# Altium PCB motherboard 2 layer try.PcbDoc (part 1 of 2)
Units mm, origin at the board's own origin, x right, y up, seen from the top; angles counter-clockwise.
Board outline 224.71 x 145.57 mm, 2 copper layers (Top Layer, Bottom Layer); 59 components, 158 nets, 486 pads, 605 vias.
Unrouted connection lines stored in the file: 6.
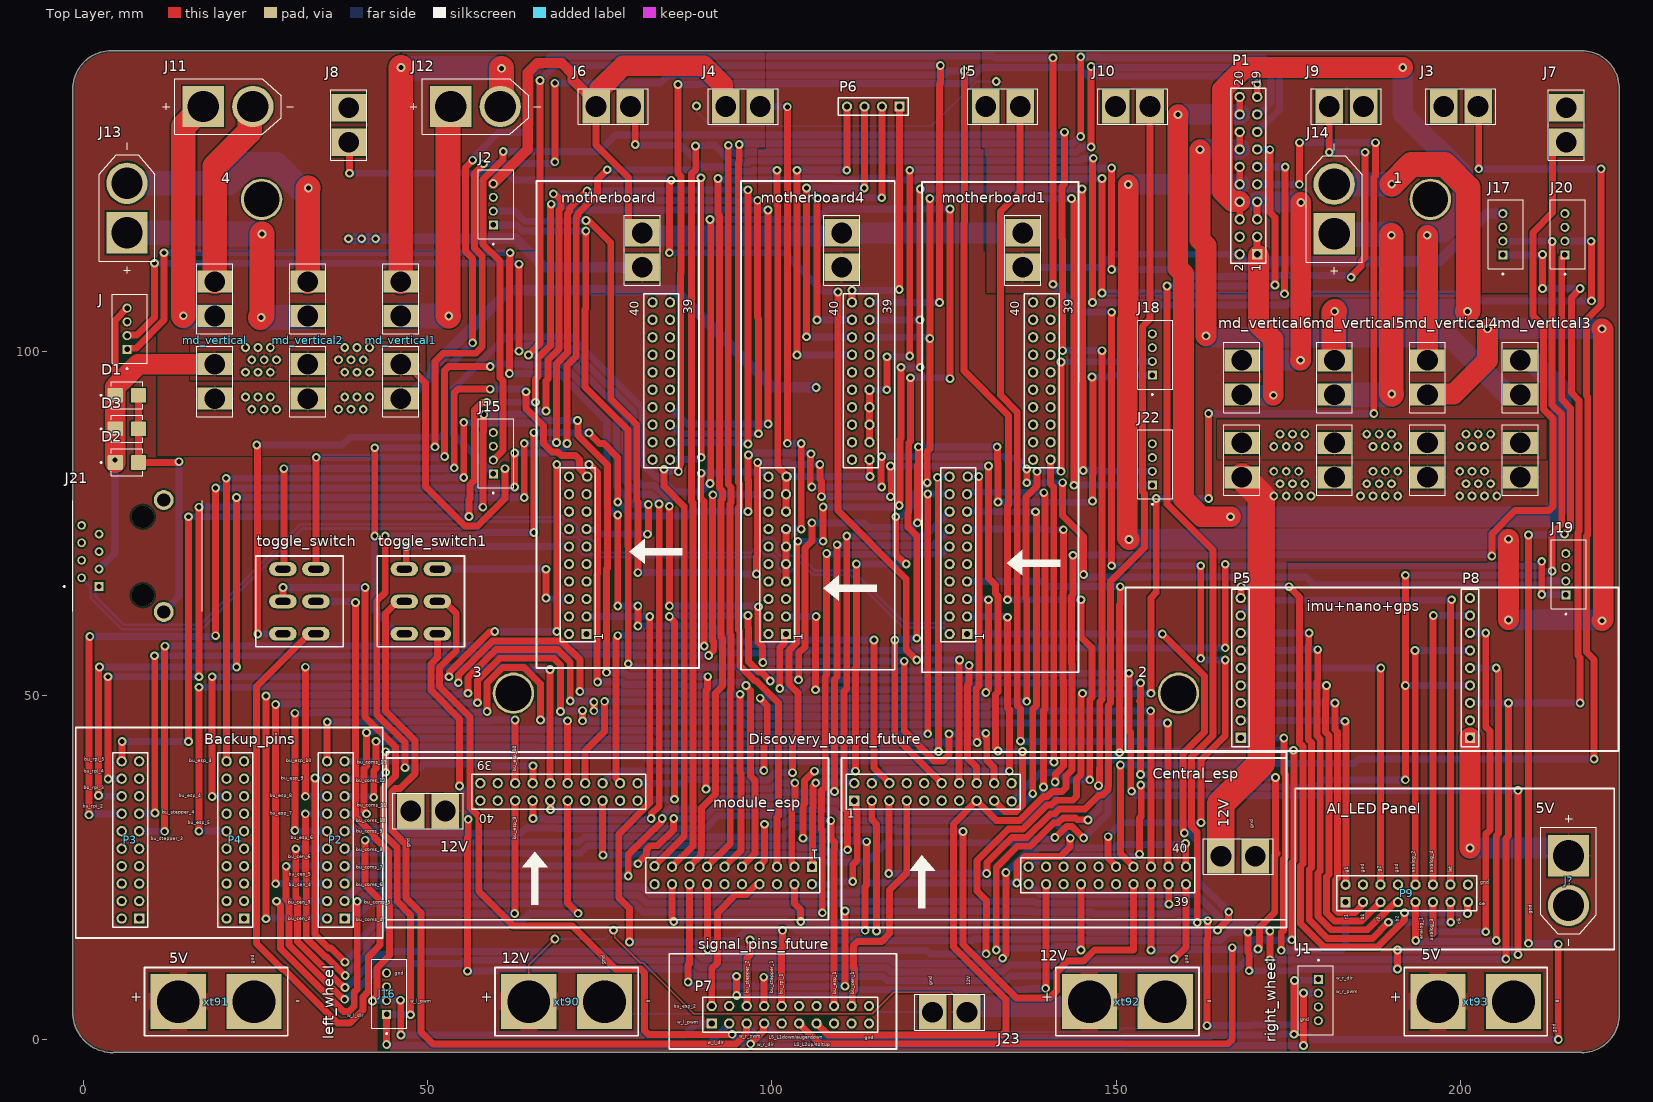
[diagram p0: Top Layer view]
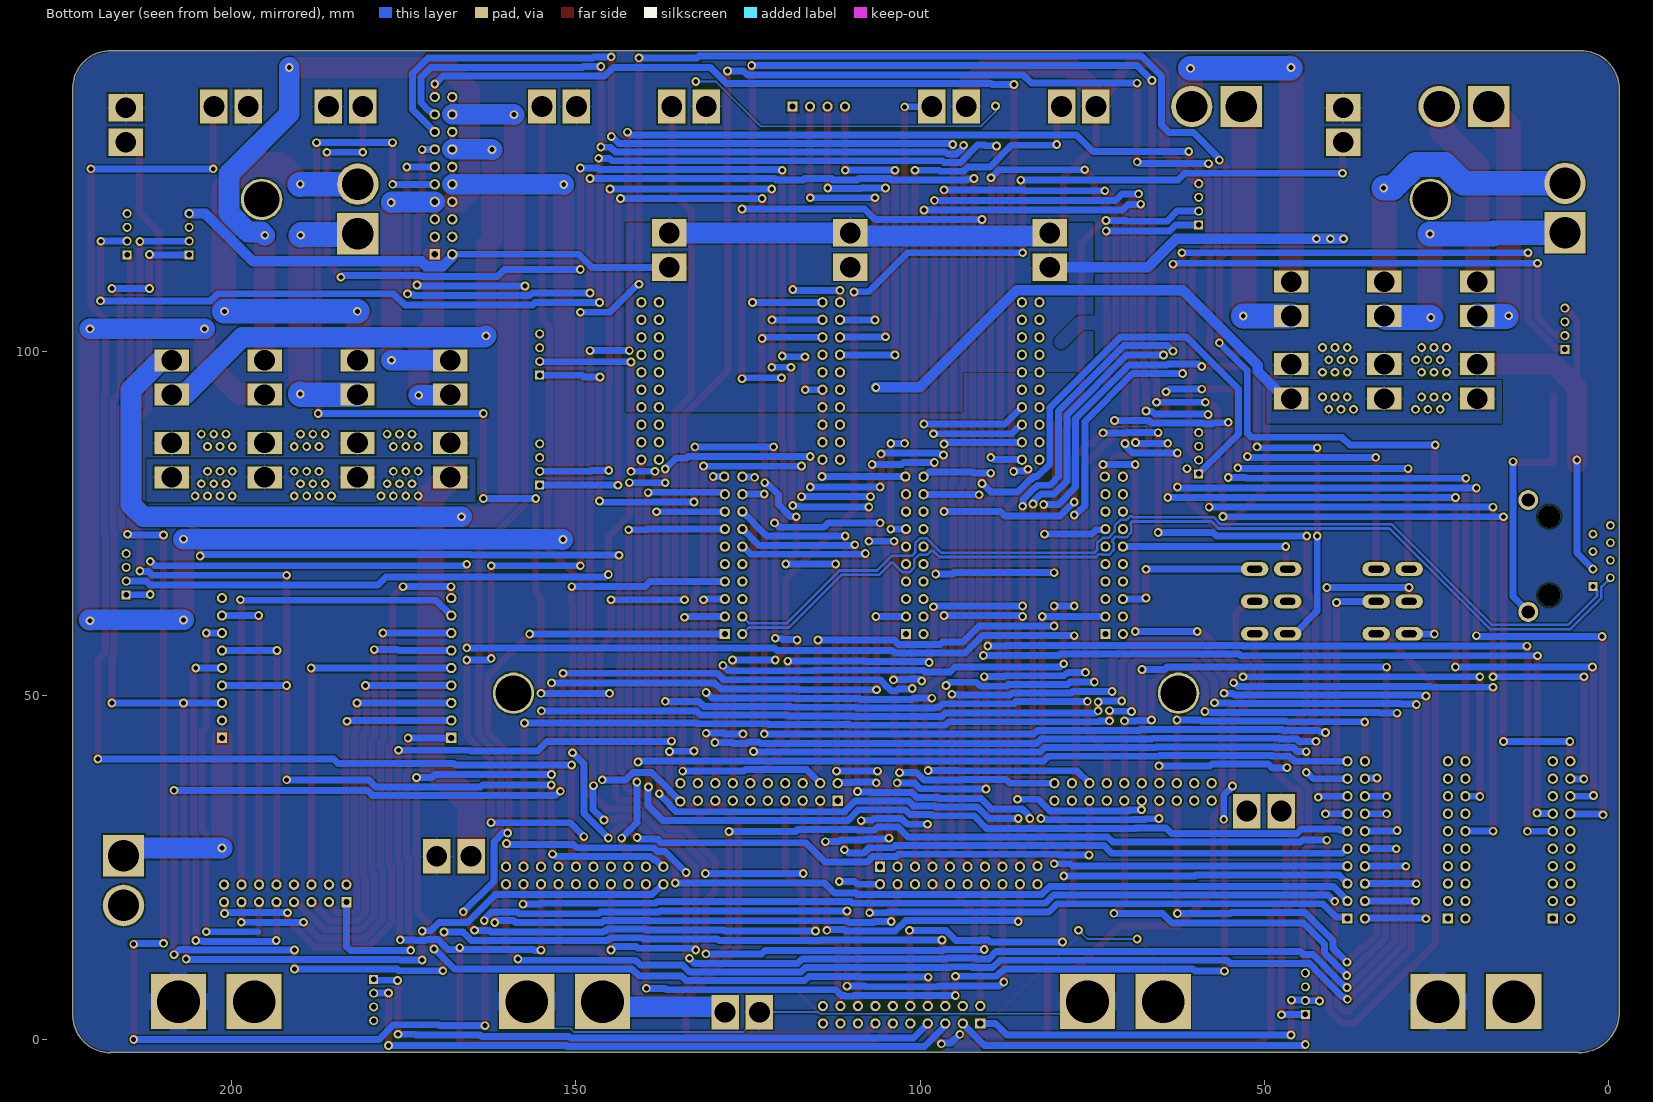
[diagram p1: Bottom Layer view, seen from below]

## Layer stack, top to bottom
Top Solder: solder mask 0.0102, Solder Resist, Dk 3.5
Top Layer: signal copper 0.105
Dielectric2: dielectric 0.32, FR-4, Dk 4.8
Bottom Layer: signal copper 0.105
Bottom Solder: solder mask 0.0102, Solder Resist, Dk 3.5

## Board outline
-1.587,3.955 -1.587,138.067 -1.581,138.067 cw(c4.013,138.067) 4.013,143.661 4.013,143.655 217.627,143.655 217.627,143.661 cw(c217.627,138.194) 223.092,138.067 223.076,138.067 223.076,3.574 223.112,3.574 cw(c217.627,3.574) 217.627,-1.911 217.627,-1.867 4.267,-1.867 4.267,-1.909 cw(c4.267,3.955)

## Design rules (kind name [scope] priority, off if disabled: settings)
BoardOutlineClearance [All] p1: gap=0.254 ignorepadtopadclearanceinfootprint=FALSE except(0: Arc-SplitContinuation Track-SplitContinuation SMDPad-SplitContinuation THPad-SplitContinuation Via-SplitContinuation Fill-SplitContinuation Poly-SplitContinuation Region-SplitContinuation Text-SplitContinuation)
Clearance [All] p1: gap=0.254 ignorepadtopadclearanceinfootprint=FALSE except(0: Arc-Hole Track-Hole SMDPad-Hole THPad-Hole Via-Hole Fill-Hole Poly-Hole Region-Hole Text-Hole)
DiffPairsRouting [InDifferentialPair('CAN')] p1: maxlimit=0.254 minlimit=0.254 mostfreqgap=0.254 toplayer_minwidth=0.381 toplayer_maxwidth=0.381 toplayer_prefwidth=0.381 bottomlayer_minwidth=0.381 bottomlayer_maxwidth=0.381 bottomlayer_prefwidth=0.381 maxuncoupledlength=12.7
PolygonConnect [All] p1: connectstyle=Relief reliefconductorwidth=0.254 reliefentries=4 polygonreliefangle="90 Angle" airgapwidth=0.254
RoutingVias [All] p1: holewidth=0.711 width=1.27 viastyle="Through Hole" minholewidth=0.711 minwidth=1.27 maxholewidth=0.711 maxwidth=1.27
SolderMaskExpansion [All] p1: expansion=0.102 istentingtop=FALSE
Width [All] p1: maxlimit=10 minlimit=0.254 preferedwidth=3 minimp=50.000000 maximp=50.000000 favimp=50.000000
29 further rules are at their usual default settings.

## Classes and differential pairs
differential pair CAN: +CAN_P -can_N

## Components (designator, comment, footprint, x,y, rotation, side; value= is the part's Value field where it differs from the comment)
1 "mountinghole_np" np_mountinghole 195.656,122.065 r90 top
2 "mountinghole_np" np_mountinghole 159.08,50.31 r90 top
3 "mountinghole_np" np_mountinghole 62.433,50.31 r90 top
4 "mountinghole_np" np_mountinghole 25.857,122.065 r90 top
Central_esp "motherboard" "motherboard 10x2" 134.835,34.597 r270 top (schematic designator motherboard3)
D1 "SMBJ36CA-13-F" DIONM4336X250N 6.274,93.581 r0 top
D2 "SMBJ36CA-13-F" DIONM4336X250N 6.274,83.838 r0 top
D3 "SMBJ36CA-13-F" DIONM4336X250N 6.274,88.71 r0 top
J "110990030" SEEED_110990030 6.299,103.269 r90 top
J1 "110990030" SEEED_110990030 179.388,5.722 r270 top
J2 "110990030" SEEED_110990030 59.512,121.351 r90 top
J3 "XT30PB" XT30PB 202.59,135.547 r270 top
J4 "XT30PB" XT30PB 98.31,135.547 r270 top
J5 "XT30PB" XT30PB 136.053,135.547 r270 top
J6 "XT30PB" XT30PB 79.439,135.547 r270 top
J7 "XT30PB" XT30PB 215.417,130.373 r180 top
J8 "XT30PB" XT30PB 38.506,130.373 r180 top
J9 "XT30PB" XT30PB 180.953,135.547 r90 top
J10 "XT30PB" XT30PB 154.924,135.547 r270 top
J11 "XT60-M" AMASS_XT60-M 20.975,135.547 r0 top
J12 "XT60-M" AMASS_XT60-M 56.921,135.547 r0 top
J13 "XT60-M" AMASS_XT60-M 6.299,120.795 r90 top
J14 "XT60-M" AMASS_XT60-M 181.686,120.668 r90 top
J15 "110990030" SEEED_110990030 59.512,85.187 r90 top
J16 "110990030" SEEED_110990030 44.006,6.658 r90 top
J17 "110990030" SEEED_110990030 206.197,117.001 r90 top
J18 "110990030" SEEED_110990030 155.27,99.507 r90 top
J19 "110990030" SEEED_110990030 215.341,67.598 r90 top
J20 "110990030" SEEED_110990030 215.214,117.001 r90 top
J21 "RJ45-8N3-B" TE_RJ45-8N3-B 2.235,70.249 r90 top
J22 "110990030" SEEED_110990030 155.27,83.552 r90 top
J23 "XT30PB" XT30PB 128.334,3.975 r270 top
J? "XT60-M" AMASS_XT60-M 215.741,23.087 r270 top
md_vertical "md_vertical" md_vertical 19.05,105.079 r180 top
md_vertical1 "md_vertical" md_vertical 46.05,105.079 r180 top
md_vertical2 "md_vertical" md_vertical 32.55,105.079 r180 top
md_vertical3 "md_vertical" md_vertical 208.737,93.649 r180 top
md_vertical4 "md_vertical" md_vertical 195.237,93.649 r180 top
md_vertical5 "md_vertical" md_vertical 181.737,93.649 r180 top
md_vertical6 "md_vertical" md_vertical 168.237,93.649 r180 top
module_esp "motherboard" "motherboard 10x2" 82.937,25.189 r90 top (schematic designator motherboard2)
motherboard "motherboard" "motherboard 10x2" 73.153,81.781 r0 top
motherboard1 "motherboard" "motherboard 10x2" 128.447,81.781 r0 top
motherboard4 "motherboard" "motherboard 10x2" 102.134,81.781 r0 top
P1 "Header 10X2" HDR2X10 170.498,114.084 r90 top
P2 "Header 10X2" HDR2X10 37.91,17.564 r90 top
P3 "Header 10X2" HDR2X10 8.065,17.564 r90 top
P4 "Header 10X2" HDR2X10 23.305,17.564 r90 top
P5 "Header 9" HDR1X9 168.097,43.815 r90 top
P6 "might go in the stepper breakout board" HDR1X4 118.522,135.547 r180 top
P7 "Header 10X2" HDR2X10 91.25,2.324 r0 top
P8 "Header 9" HDR1X9 201.422,43.815 r90 top
P9 "Header 8X2" HDR2X8 183.337,19.957 r0 top
toggle_switch "toggle switch" "toggle switch" 31.344,63.645 r0 top
toggle_switch1 "toggle switch" "toggle switch" 48.984,63.645 r0 top
xt90 "xt90" xt90 70.168,5.499 r0 top
xt91 "xt90" xt90 19.241,5.499 r0 top
xt92 "xt90" xt90 151.637,5.499 r0 top
xt93 "xt90" xt90 202.248,5.499 r0 top

## Footprints (in the part's own frame and the unit in brackets; to place one, negate y for a bottom-side part, rotate by r counter-clockwise, add the part's x,y. Pads: shape width x height; smd on the part's side, far side on the other; paste and mask are expansions set on the pad)
AMASS_XT60-M [mm]
  round 6 hole 4.55: N(3.6,0)
  rect 6x6 hole 4.55: P(-3.6,0)
  silkscreen extent -9.5,-4.05 9.5,4.05, body extent -7.75,-4.05 7.75,4.05, height 16
DIONM4336X250N [mm]
  rrect15% 2.22x2.13 smd: 1(-1.68,0) 2(1.68,0)
  silkscreen extent -3.85,-1.97 2.28,1.97
HDR1X4 [mm] "Connector; Header; 4 Position"
  rect 1.5x1.5 hole 0.9: 1(0,0)
  round 1.5 hole 0.9: 2(2.54,0) 3(5.08,0) 4(7.62,0)
  silkscreen extent -1.27,-1.27 8.89,1.27
HDR1X9 [mm] "Connector; Header; 9 Position"
  rect 1.5x1.5 hole 0.9: 1(0,0)
  round 1.5 hole 0.9: 2(2.54,0) 3(5.08,0) 4(7.62,0) 5(10.16,0) 6(12.7,0) 7(15.24,0) 8(17.78,0) 9(20.32,0)
  silkscreen extent -1.27,-1.27 21.59,1.27
HDR2X8 [mm] "Connector; Header; 8x2 Position"
  rect 1.5x1.5 hole 0.9: 1(0,0)
  round 1.5 hole 0.9: 2(0,2.54) 3(2.54,0) 4(2.54,2.54) 5(5.08,0) 6(5.08,2.54) 7(7.62,0) 8(7.62,2.54) 9(10.16,0) 10(10.16,2.54) 11(12.7,0) 12(12.7,2.54) 13(15.24,0) 14(15.24,2.54) 15(17.78,0) 16(17.78,2.54)
  silkscreen extent -1.27,-1.27 19.05,3.81
HDR2X10 [mm] "Connector; Header; 10x2 Position"
  rect 1.5x1.5 hole 0.9: 1(0,0)
  round 1.5 hole 0.9: 2(0,2.54) 3(2.54,0) 4(2.54,2.54) 5(5.08,0) 6(5.08,2.54) 7(7.62,0) 8(7.62,2.54) 9(10.16,0) 10(10.16,2.54) 11(12.7,0) 12(12.7,2.54) 13(15.24,0) 14(15.24,2.54) 15(17.78,0) 16(17.78,2.54) 17(20.32,0) 18(20.32,2.54) 19(22.86,0) 20(22.86,2.54)
  silkscreen extent -1.27,-1.27 24.13,3.81
md_vertical [mm]
  rect 5x3.2 hole 3: 1(0,11.97) 2(0,6.97) 3(0,-0.03) 4(0,-5.03)
  silkscreen extent -2.6,-7.63 2.6,14.57, body extent -2.6,-7.63 2.6,14.57, height 10.66
"motherboard 10x2" [mm]
  rect 1.5x1.5 hole 0.9: 1(-0.092,-22.872)
  round 1.5 hole 0.9: 2(-2.632,-22.872) 3(-0.092,-20.332) 4(-2.632,-20.332) 5(-0.092,-17.792) 6(-2.632,-17.792) 7(-0.092,-15.252) 8(-2.632,-15.252) 9(-0.092,-12.712) 10(-2.632,-12.712) 11(-0.092,-10.172) 12(-2.632,-10.172) 13(-0.092,-7.632) 14(-2.632,-7.632) 15(-0.092,-5.092) 16(-2.632,-5.092) 17(-0.092,-2.552) 18(-2.632,-2.552) 19(0,0) 20(-2.632,-0.012) 21(12.04,2.458) 22(9.5,2.458) 23(12.04,4.998) 24(9.5,4.998) 25(12.04,7.538) 26(9.5,7.538) 27(12.04,10.078) 28(9.5,10.078) 29(12.04,12.618) 30(9.5,12.618) 31(12.04,15.158) 32(9.5,15.158) 33(12.04,17.698) 34(9.5,17.698) 35(12.04,20.238) 36(9.5,20.238) 37(12.04,22.778) 38(9.5,22.778) 39(12.04,25.318) 40(9.5,25.318)
  rect 5x4 hole 3: pow+(8,30.398) pow-(8,35.398)
  silkscreen extent -3.9,-24.02 13.31,38, body extent 5.4,27.8 10.6,38, height 10.66
np_mountinghole [mm]
  round 6 hole 5.2 unplated: MH_NP_6mm(0,0)
SEEED_110990030 [mm]
  rect 1.308x1.308 hole 0.8: 1(-3,0)
  round 1.308 hole 0.8: 2(-1,0) 3(1,0) 4(3,0)
  silkscreen extent -5.9,-2.95 5,2.15
TE_RJ45-8N3-B [mil]
  rect 50x50 hole 30: 1(-175,0)
  round 50 hole 30: 2(-125,100) 3(-75,0) 4(-25,100) 5(25,0) 7(125,0) 8(175,100)
  round 49.92 hole 29.92: 6(75,100)
  round 114 hole 76: 9(-320,-370) 10(320,-370)
  round 128 hole 128 unplated: ""(-225,-250) ""(225,-250)
  silkscreen extent -315,-590 315,204
"toggle switch" [mm]
  oval 4x2 hole 1 slot 2.2 at 0 deg: 1(-2.4,4.7) 2(-2.4,0) 3(-2.4,-4.7) 4(2.4,4.7) 5(2.4,0) 6(2.4,-4.7)
  silkscreen extent -6.35,-6.6 6.35,6.6
XT30PB [mm]
  rect 5x4 hole 3: 1(0,0) 2(0,-5)
  silkscreen extent -2.6,-7.6 2.6,2.6, body extent -2.6,-7.6 2.6,2.6, height 10.66
xt90 [mm]
  rect 8x8 hole 6.2: 1(-5.5,0) 2(5.5,0)
  silkscreen extent -10.4,-4.95 10.4,4.95

## Part data
D1 D2 D3: "SMBJ36CA Series 600 W 36 V Surface Mount Bi-Directional TVS Diode - DO-214AA", Package=None, Availability=Unavailable, MP=SMBJ36CA-13-F, Price=None
J J1 J2 J15 J16 J17 J18 J19 J20 J22: "GROVE 2MM 4PIN VERT CONN 10PCS", Package=None, Arrow_Electronics-Purchase-URL=https://snapeda.com/shop?store=Arrow+Electronics&id=583576, Availability=Good, MF="Seeed Technology", Mouser-Purchase-URL=https://snapeda.com/shop?store=Mouser&id=583576, MP=110990030, Price=None, SnapEDA_Link=https://www.snapeda.com/parts/110990030/Seeed%20Technology%20Co.,%20Ltd/view-part/583576/?ref=snap
J3 J4 J5 J6 J7 J8 J9 J10 J23: "Connector", Manufacturer_Name=Amass, Datasheet Link=https://www.tme.eu/Document/4acc913878197f8c2e30d4b8cdc47230/XT30UPB%20SPEC.pdf, Height=10.7mm, Manufacturer_Part_Number=XT30PB
J11 J12 J13 J14 J?: "Plug; DC supply; XT60; male; PIN: 2; for cable; soldered; 30A; 500V", Package=Package, Availability="Not in stock", Check_prices=https://www.snapeda.com/parts/XT60-M/AMASS/view-part/?ref=eda, MF=AMASS, MP=XT60-M, Price=None, SnapEDA_Link=https://www.snapeda.com/parts/XT60-M/AMASS/view-part/?ref=snap
J21: "Connector RJ-45 Female 8 Position 2.54mm Solder Right Angle Through Hole 8 Terminal", Package=None, Availability=Unavailable, MF="TE Connectivity", MP=RJ45-8N3-B, Price=None, SnapEDA_Link=https://www.snapeda.com/parts/RJ45-8N3-B/TE%20Connectivity%20Corcom%20Filters/view-part/2770351/?ref=snap, TE_purchase_URL=https://www.te.com/usa-en/product-1-6609212-3.html?te_bu=Cor&te_type=disp&te_campaign=seda_glo_cor-seda-global-disp-prtnr-fy19-seda-model-bom-cta_sma-317_1&elqCampaignId=32493
P1 P2 P3 P4 P7: "Header, 10-Pin, Dual row", LatestRevisionDate=17-Jul-2002, LatestRevisionNote="Re-released for DXP Platform.", Publisher="Altium Limited"
P5 P8: "Header, 9-Pin", LatestRevisionDate=17-Jul-2002, LatestRevisionNote="Re-released for DXP Platform.", Publisher="Altium Limited"
P6: library part "Header 4", "Header, 4-Pin", LatestRevisionDate=17-Jul-2002, LatestRevisionNote="Re-released for DXP Platform.", Publisher="Altium Limited"
P9: "Header, 8-Pin, Dual row", LatestRevisionDate=17-Jul-2002, LatestRevisionNote="Re-released for DXP Platform.", Publisher="Altium Limited"

## Via types
v1: diameter 1.27, hole 0.711, Top Layer to Bottom Layer, 605 vias

## Nets (pads, with @x,y where several pads share a name; then routed paths per layer and width w, separated by ;. In a path a pad name is that pad's centre, name@x,y a point inside that pad or via, vN(x,y) a via of type N, cw(c..) or ccw(c..) an arc to the next point about the centre after c; other vN are vias at no path point)
can_N: J21.1 motherboard1.4 | length 144.5
  Bottom Layer w0.381: J21.1@2.235,65.804 1.651,65.22 1.651,64.421 5.844,60.229 16.887,60.229 31.533,74.874 56.386,74.874 57.398,75.887 69.103,75.887 69.211,75.994 69.526,75.994 70.026,75.495 70.865,75.495 71.715,74.644 71.715,73.805 72.642,72.879 73.48,72.879 74.255,72.104 74.255,71.114 74.631,70.739 96.943,70.739 97.841,71.637 97.881,71.637 98.307,72.064 98.307,72.104 99.007,72.804 99.997,72.804 100.697,72.104 100.697,70.754 101.186,70.264 104.114,70.264 106.237,68.14 111.681,68.14 119.325,60.497 124.863,60.497 motherboard1.4@125.815,61.449
CAN_P: J21.2 motherboard1.2 | length 148.1
  Bottom Layer w0.381: J21.2@-0.305,67.074 1.016,65.753 1.016,64.158 5.581,59.594 17.15,59.594 31.796,74.239 56.649,74.239 57.661,75.252 69.173,75.252 69.396,75.029 69.396,74.713 69.326,74.644 69.326,73.654 70.026,72.955 71.016,72.955 71.109,73.047 71.575,73.047 72.035,72.588 72.035,72.272 71.866,72.104 71.866,71.114 72.566,70.415 73.556,70.415 73.649,70.507 73.964,70.507 74.368,70.104 97.206,70.104 98.104,71.002 98.42,71.002 99.007,70.415 100.137,70.415 100.847,69.704 100.847,68.574 101.547,67.875 102.537,67.875 103.913,69.251 104.229,69.251 105.974,67.505 111.418,67.505 119.062,59.862 124.863,59.862 motherboard1.2@125.815,58.909
GND: Central_esp.pow- D1.1 D2.1 D3.1 J1.4 J2.4 J3.2 J4.2 J5.2 J6.2 J7.2 J8.2 J9.2 J10.2 J15.4 J16.4 J18.4 J19.4 J20.4 J21.3 J22.4 J23.2 J.4 J?.N md_vertical1.2 md_vertical2.2 md_vertical3.2 md_vertical4.2 md_vertical5.2 md_vertical6.2 md_vertical.2 module_esp.pow- motherboard1.pow- motherboard4.pow- motherboard.pow- P1.4 P7.19 P8.2 P9.4 P9.8 P9.16 xt90.2 xt91.2 xt92.2 xt93.2 | length 316.8
  Top Layer w1: 4.594,94.783 4.594,104.564 J.4@6.299,106.269 ; md_vertical1.2@46.05,98.109 46.95,98.109 49.665,95.394 49.665,80.337 55.4,74.602 57.222,74.602 61.214,78.594 v1(61.214,82.931) ; J6.2@74.439,135.547 74.439,129.963 79.153,125.249 79.153,118.679 80.653,117.179 motherboard.pow-@81.153,117.179
  Top Layer w1.5: J2.4@59.512,124.351 64.525,129.364 64.525,140.471 65.913,141.859 66.648,141.859 66.661,141.873 69.455,141.873 71.068,140.26 71.068,139.418 74.439,136.047 J6.2@74.439,135.547
  Top Layer w3: v1(4.572,84.201) 4.572,83.86 D2.1@4.594,83.838 D3.1@4.594,88.71 D1.1@4.594,93.581 4.594,94.783 6.211,96.4 6.219,96.4 7.68,97.861 ; 7.938,98.113 19.046,98.113 md_vertical.2@19.05,98.109 ; J6.2@74.439,135.547 74.939,136.047 74.939,138.028 78.389,141.478 90.043,141.478 92.81,138.711 92.81,136.047 J4.2@93.31,135.547
  Bottom Layer w0.254: xt90.2@75.668,5.499 77.434,3.733 114.578,3.733 114.82,3.975 J23.2@123.334,3.975 123.334,3.475 125.715,1.094 150.271,1.094 150.803,1.626 153.264,1.626 xt92.2@157.137,5.499
  Bottom Layer w1: J21.3@2.235,68.344 4.572,70.681 v1(4.572,84.201)
  Bottom Layer w3: motherboard.pow-@81.153,117.179 81.595,116.737 109.692,116.737 motherboard4.pow-@110.134,117.179 motherboard1.pow-@136.447,117.179
  other v1: 172.923,86.148 174.723,86.148 176.523,86.148 187.323,86.148 189.123,86.148 190.923,86.148 199.923,86.148 201.723,86.148 203.523,86.148 173.823,87.948 175.623,87.948 177.423,87.948 186.423,87.948 188.223,87.948 190.023,87.948 200.823,87.948 202.623,87.948 204.423,87.948 23.523,96.948 25.323,96.948 27.123,96.948 37.923,96.948 39.723,96.948 41.523,96.948 24.423,98.748 26.223,98.748 28.023,98.748 37.023,98.748 38.823,98.748 40.623,98.748 23.523,100.548 25.323,100.548 27.123,100.548 37.923,100.548 39.723,100.548 41.523,100.548
NetD1_2: D1.2 D2.2 D3.2 J21.9 | length 38.4
  Top Layer w1: D1.2@7.954,93.581 D3.2@7.954,88.71 D2.2@7.954,83.838 13.661,83.838 13.77,83.947 v1(13.843,83.947)
  Bottom Layer w1: J21.9@11.633,62.121 13.851,64.339 13.851,83.939 v1(13.843,83.947)
NetJ1_1: J1.1 P7.7 toggle_switch1.5 | length 194.2
  Top Layer w1: toggle_switch1.5@51.384,63.645 52.356,63.645 54.138,61.863 54.138,56.498 51.697,54.057 51.697,51.261 56.115,46.843 56.115,33.709 57.404,32.42 57.404,21.531 62.425,16.51 70.993,16.51 77.25,10.253 80.899,10.253 81.485,9.667 81.485,1.326 82.071,0.74 94.215,0.74 v1(94.216,0.741) ; v1(96.901,-0.635) 98.774,1.238 98.774,2.228 P7.7@98.87,2.324 P7.7@98.966,2.228 ; v1(175.832,0.754) 175.832,8.378 175.934,8.48 v1(175.934,8.553)
  Bottom Layer w1: v1(94.216,0.741) 94.289,0.741 95.538,-0.508 v1@97.028,-0.508 ; P7.7@98.87,2.324 100.981,0.213 150.753,0.213 150.983,0.443 163.697,0.443 163.927,0.673 173.197,0.673 173.278,0.754 v1(175.832,0.754) ; v1(175.934,8.553) 175.985,8.604 179.271,8.604 J1.1@179.388,8.722
NetJ1_2: J1.2 P7.5 toggle_switch1.2 | length 212.1
  Top Layer w1: toggle_switch1.2@46.584,63.645 45.612,63.645 43.83,61.863 43.83,47.737 48.133,43.434 48.133,38.608 45.968,36.443 45.227,36.443 44.785,36.001 44.785,30.377 46.815,28.347 46.815,20.563 49.022,18.356 49.022,1.094 50.764,-0.648 94.791,-0.648 96.298,0.859 96.298,2.292 P7.5@96.33,2.324 ; v1(177.241,-0.871) v1(177.241,6.749)
  Bottom Layer w1: P7.5@96.33,2.324 96.426,2.228 96.426,1.872 99.339,-1.041 151.272,-1.041 151.442,-0.871 v1(177.241,-0.871) ; v1(177.241,6.749) 177.255,6.735 179.374,6.735 J1.2@179.388,6.722
NetJ2_1: Central_esp.16 J2.1 | length 147.6
  Top Layer w1: v1(72.953,117.475) 72.953,106.179 72.818,106.044 72.818,94.822 79.107,88.533 79.107,71.634 79.121,71.62 79.121,54.721 79.124,54.718 v1(79.124,54.596) ; v1(128.651,54.356) 128.651,51.736 128.429,51.514 128.429,40.93 129.743,39.616 Central_esp.16@129.743,37.229
  Bottom Layer w1: J2.1@59.512,118.351 62.883,118.351 63.759,117.475 v1(72.953,117.475) ; v1(79.124,54.596) 79.197,54.596 79.691,54.102 94.889,54.102 95.618,53.373 99.254,53.373 99.524,53.643 103.267,53.643 115.503,53.643 115.566,53.58 127.802,53.58 128.578,54.356 v1(128.651,54.356)
NetJ2_2: Central_esp.17 J2.2 | length 203.8
  Top Layer w1: v1(72.999,118.998) 73.051,118.947 73.446,118.947 76.573,115.819 76.573,93.099 80.361,89.311 80.361,78.27 80.51,78.121 v1(80.51,67.826) ; v1(97.727,67.628) 97.727,70.073 97.917,70.263 v1(97.917,83.812) ; v1(106.96,83.554) 106.96,81.347 107.188,81.118 v1(107.188,78.867) ; v1(117.238,78.867) 117.238,78.94 117.34,79.042 117.34,81.089 117.252,81.177 117.252,83.297 v1(117.238,83.312) ; v1(131.445,83.312) 131.445,67.056 132.461,66.04 132.461,64.829 132.834,64.456 132.834,50.481 132.461,50.108 132.461,42.364 132.842,41.983 v1(132.842,41.91) ; Central_esp.17@132.283,34.689 133.879,33.093 135.458,33.093 136.398,34.033 v1(136.398,41.847)
  Bottom Layer w1: J2.2@59.512,120.351 62.656,120.351 64.131,118.876 70.057,118.876 70.159,118.979 72.98,118.979 v1(72.999,118.998) ; v1(80.51,67.826) 80.514,67.822 95.092,67.822 95.286,67.628 v1(97.727,67.628) ; v1(97.917,83.812) 102.429,83.812 102.687,83.554 v1(106.96,83.554) ; v1(107.188,78.867) v1(117.238,78.867) ; v1(117.238,83.312) 117.265,83.285 v1@131.445,83.285 ; v1(132.842,41.91) 132.874,41.878 136.366,41.878 v1(136.398,41.847)
NetJ3_1: Central_esp.34 J3.1 | length 198.9
  Top Layer w1: v1(150.622,39.878) 150.622,27.008 Central_esp.34@152.533,25.097 ; J3.1@202.59,135.547 202.692,135.445 v1(202.692,126.492) ; v1(219.456,40.767) 219.456,55.202 218.345,56.313 218.345,73.139 218.519,73.313 218.519,93.375 218.345,93.549 218.345,104.621 220.472,106.748 v1(220.472,126.492)
  Bottom Layer w1: v1(150.622,39.878) 167.497,39.878 167.743,40.124 184.545,40.124 185.188,40.767 v1(219.456,40.767) ; v1(202.692,126.492) v1(220.472,126.492)
NetJ4_1: J4.1 motherboard4.7 motherboard4.9 motherboard4.11 motherboard4.13 | length 77.2
  Top Layer w1: motherboard4.7@102.042,66.529 motherboard4.9@102.042,69.069 motherboard4.11@102.042,71.609 motherboard4.13@102.042,74.149 ; v1(102.235,86.614) v1(102.235,135.509) ; v1(104.248,74.149) v1(104.248,86.595) v1@104.267,86.614
  Bottom Layer w1: J4.1@98.31,135.547 98.348,135.509 v1(102.235,135.509) ; motherboard4.13@102.042,74.149 v1(104.248,74.149) v1@104.267,74.168 ; v1(102.235,86.614) 102.254,86.595 v1(104.248,86.595)
NetJ5_1: Central_esp.35 J5.1 P7.11 | length 271.2
  Top Layer w1: P7.11@103.95,2.324 106.893,-0.619 166.292,-0.619 166.878,-0.033 v1(166.878,13.335) ; J5.1@136.053,135.547 136.053,123.137 133.193,120.277 133.193,93.629 135.636,91.186 135.636,48.548 136.108,48.076 v1(136.108,43.343) ; v1(155.073,12.978) Central_esp.35@155.073,22.557 ; v1(175.514,14.478) 175.563,14.527 175.563,25.717 175.863,26.017 175.863,41.853 175.76,41.956 v1(175.76,42.029)
  Bottom Layer w1: v1(136.108,43.343) 136.144,43.307 154.215,43.307 155.612,41.91 165.34,41.91 165.459,42.029 v1(175.76,42.029) ; v1(155.073,12.978) 155.103,12.948 155.977,12.948 156.126,13.097 168.593,13.097 169.728,14.232 169.739,14.232 170.046,14.538 171.584,14.538 171.764,14.359 173.322,14.359 173.389,14.426 175.462,14.426 v1(175.514,14.478)
NetJ6_1: J6.1 motherboard4.15 motherboard4.17 motherboard4.19 motherboard4.21 | length 92.8
  Top Layer w1: J6.1@79.439,135.547 80.137,134.849 v1(80.137,130.048) ; v1(100.719,126.286) 100.719,121.209 100.838,121.09 100.838,83.212 102.134,81.916 motherboard4.19@102.134,81.781 ; motherboard4.15@102.042,76.689 102.05,76.697 102.05,79.229 motherboard4.19@102.05,81.781 ; motherboard4.21@114.174,84.239 114.211,84.202 114.211,81.844 v1(114.249,81.806)
  Bottom Layer w1: v1(80.137,130.048) 80.189,129.996 80.38,129.996 80.447,129.929 86.676,129.929 89.859,126.746 93.036,126.746 93.631,126.151 97.073,126.151 97.208,126.286 v1(100.719,126.286) ; motherboard4.19@102.134,81.781 102.146,81.794 114.236,81.794 v1(114.249,81.806)
NetJ7_1: Central_esp.15 J7.1 P7.13 | length 248.1
  Top Layer w1: P7.13@106.49,2.324 108.179,0.635 133.399,0.635 133.985,1.221 133.985,5.832 126.373,13.444 126.373,31.319 Central_esp.15@129.743,34.689 132.593,31.839 135.977,31.839 139.434,35.296 140.035,35.296 140.743,36.004 142.162,36.004 142.748,36.59 142.748,38.313 143.605,39.17 143.605,54.519 143.518,54.606 143.518,64.456 143.724,64.662 v1(143.724,70.358) ; v1(204.597,70.231) 204.597,73.467 207.965,76.835 212.901,76.835 213.487,77.421 213.487,90.186 212.106,91.567 212.106,103.654 210.574,105.186 210.574,117.274 213.417,120.117 213.417,128.873 214.917,130.373 J7.1@215.417,130.373
  Bottom Layer w1: v1(143.724,70.358) 143.756,70.39 165.239,70.39 165.287,70.438 204.317,70.438 204.524,70.231 v1(204.597,70.231)